# KiCad board mobo.kicad_pcb (continued)
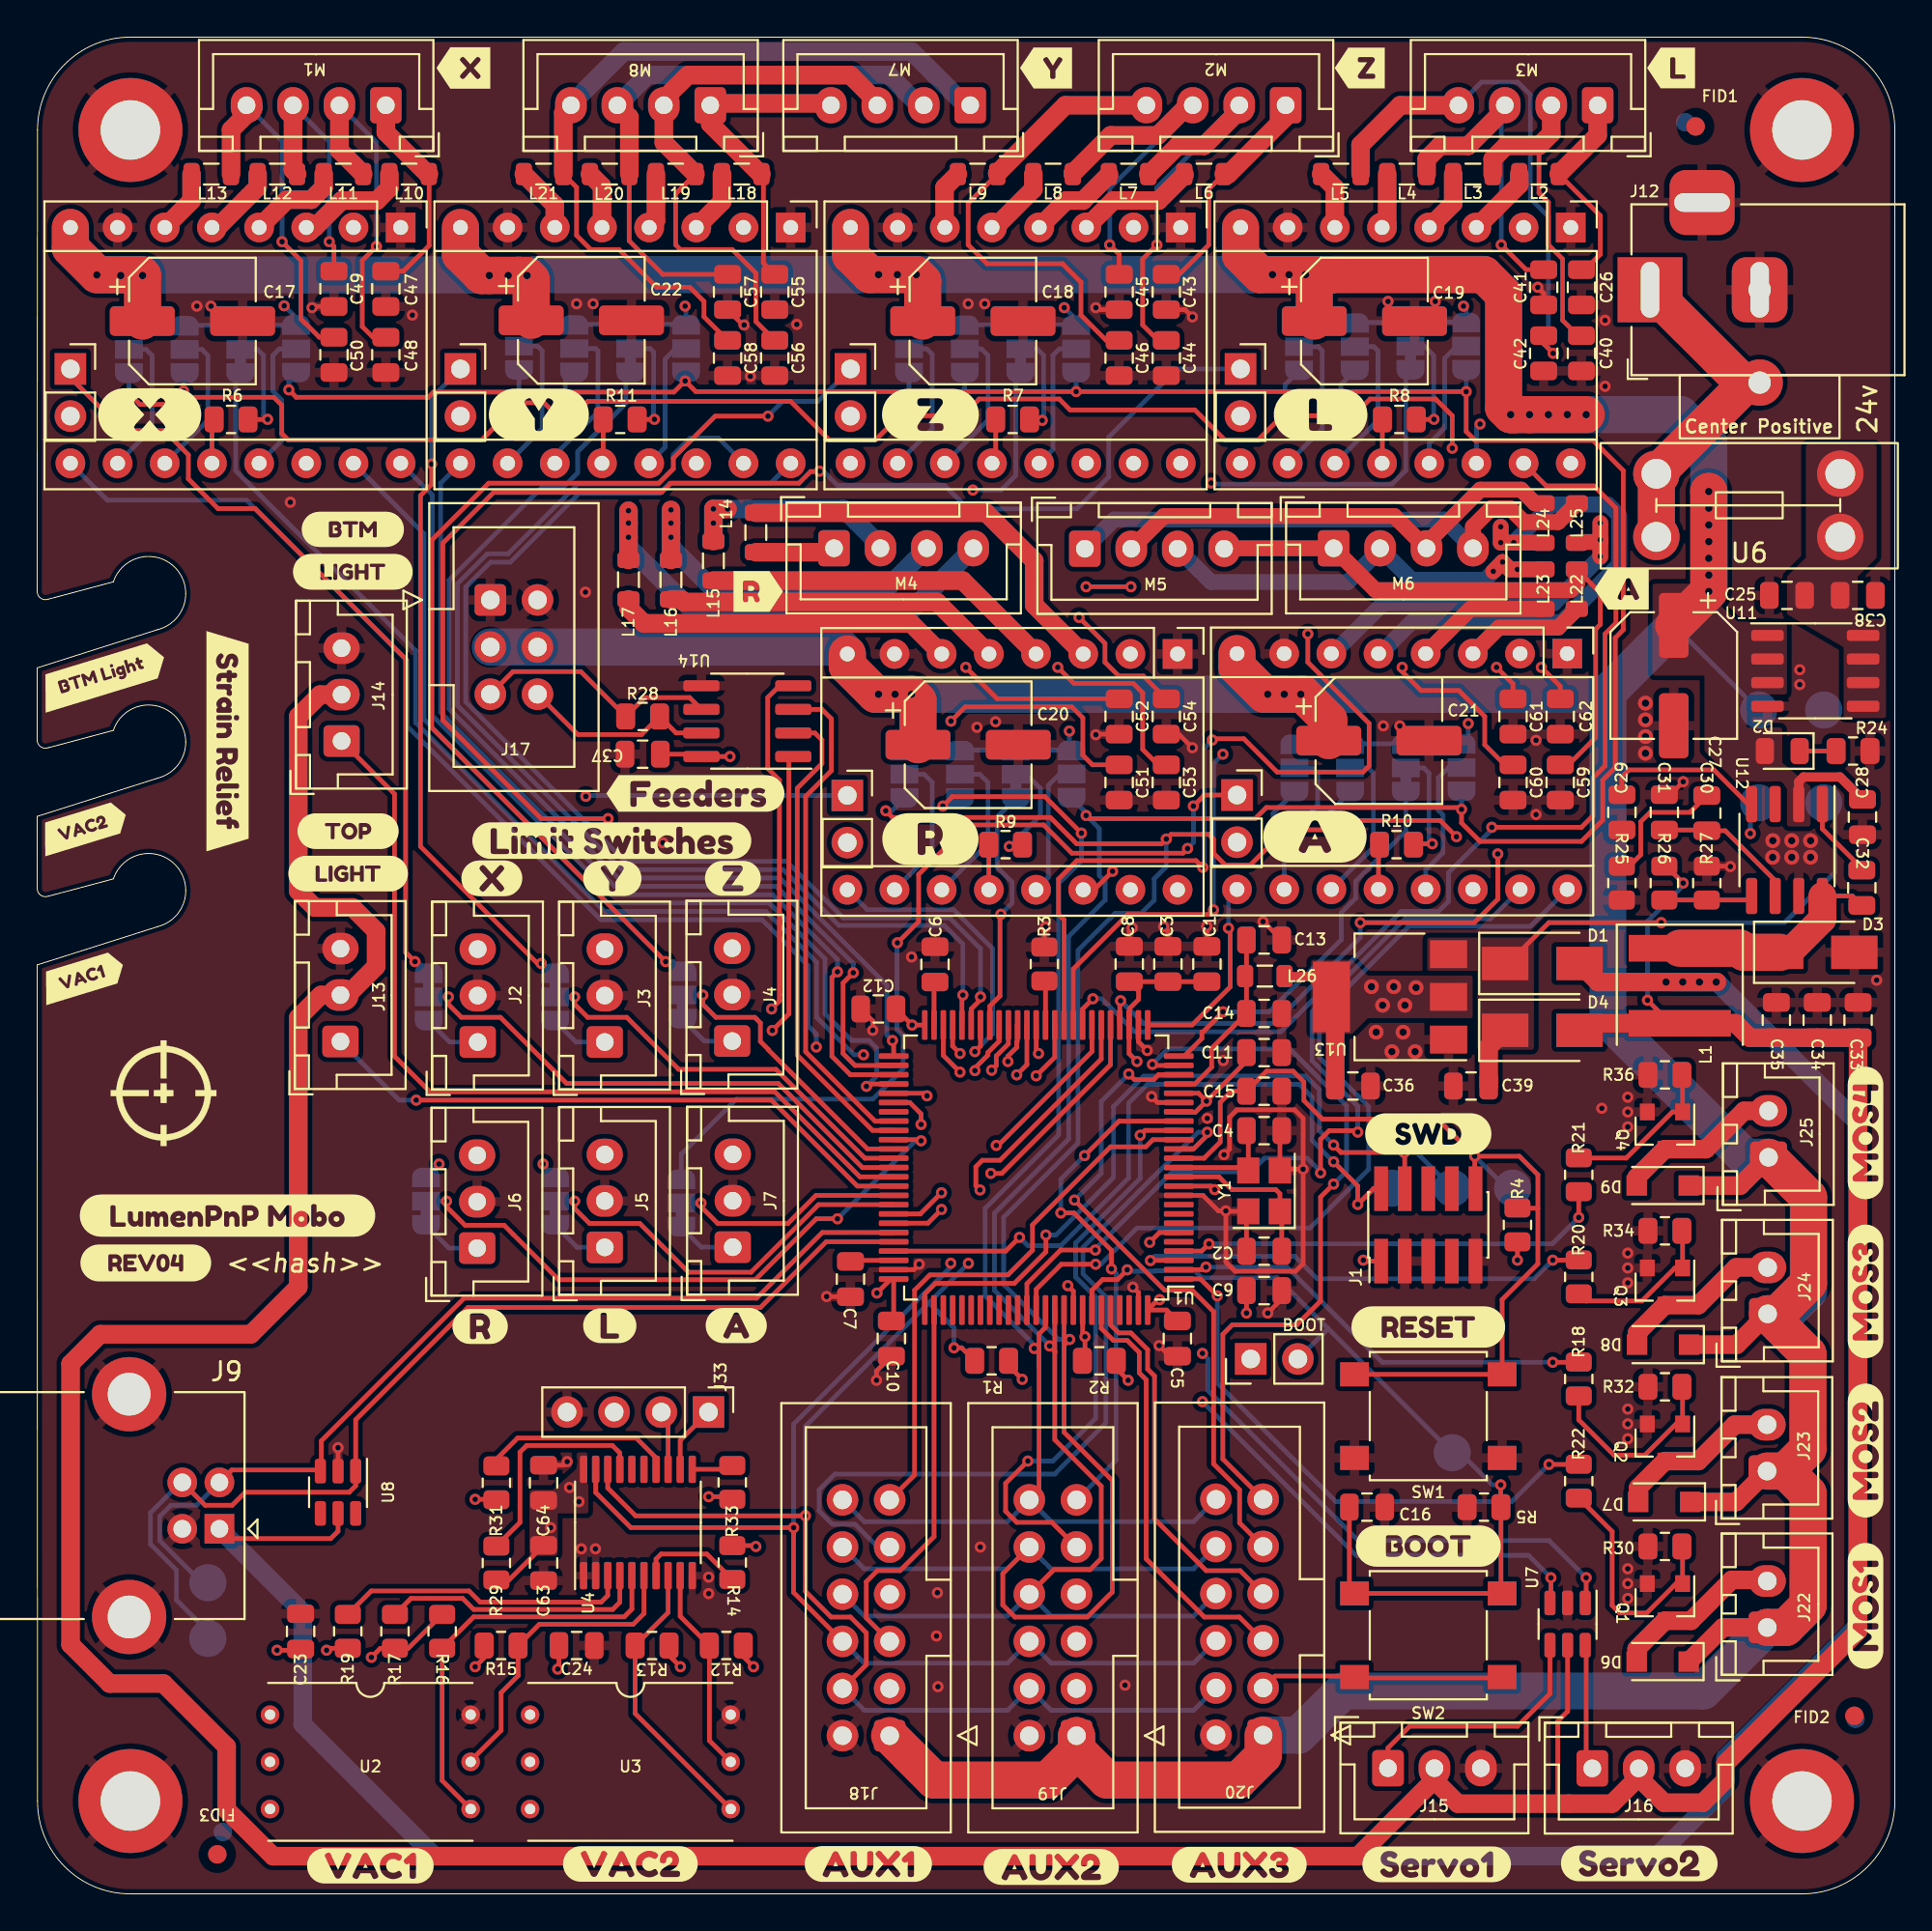
[diagram p0: board, top side]
## Placement (name value [footprint] x y rotation side) (continued)
TP6  BOOT0_TestPoint  [TestPoint_Pad_D2.0mm]  76.19 23.76 0 bottom
TP7  GND_TestPoint  [TestPoint_Pad_D2.0mm]  96.19 63.76 0 bottom
TP8  VDC_TestPoint  [TestPoint_Pad_D2.0mm]  92.69 63.76 0 bottom
TP9  5V_TestPoint  [TestPoint_Pad_D2.0mm]  96.19 58.76 0 bottom
TP10  3V3_TestPoint  [TestPoint_Pad_D2.0mm]  92.69 58.76 0 bottom
U1  STM32F407VETx  [LQFP-100_14x14mm_P0.5mm]  53.79 39.12 180 top
U2  -  [XGZP6857D]  17.94 7.11 0 top
U3  -  [XGZP6857D]  31.94 7.11 0 top
U4  PCA9545A  [TSSOP-20_4.4x6.5mm_P0.65mm]  32.35 20 90 top
U6  -  [Fuse_Holder_3568]  87.18 73.09 0 top
U7  SN74LVC2G34  [SOT-23-6]  82.4 14.53 270 top
U8  SRV05-4  [SOT-23-6]  16.2 21.63 270 top
U11  FDS4435BZ  [SO-8_3.9x4.9mm_P1.27mm]  95.74 65.87 0 top
U12  TPS54331  [SOIC-8_3.9x4.9mm_P1.27mm]  94.21 56.22 270 top
U13  AP1117-33  [SOT-223-3_TabPin2]  72.84 48.31 180 top
U14  MAX3078E  [SOIC-8_3.9x4.9mm_P1.27mm]  38.24 63.16 180 top
Y1  8MHz  [Crystal_SMD_3225-4Pin_3.2x2.5mm]  66.06 37.86 90 top

## Library data of the parts
C1 C3 C6 C7 C14 = -: Digikey: 587-4961-1-ND; JLCPCB: C49217; LCSC: C49217; Mouser: 963-UMK212ABJ225KG-T
C2 C4 = -: JLCPCB: C1785; LCSC: C525280
C5 C8-C13 C15 C16 C32 C37 = -: Digikey: 1276-1180-1-ND; JLCPCB: C49678; LCSC: C360619; Mouser: 581-08055C104K
C17-C22 C27 = -: Digikey: 493-2203-1-ND; JLCPCB: C99837; LCSC: C3339; Mouser: 647-UWT1V101MCL1S
C25 C33-C35 C38 = -: JLCPCB: C45783; LCSC: C5674
C28 C29 = -: Digikey: 1276-1015-1-ND; JLCPCB: C1710; LCSC: C1710; Mouser: 187-CL21B103KBANNNC
C30 = -: Digikey: 1276-2993-1-ND; JLCPCB: C28260; LCSC: C28260; Mouser: 187-CL21C222JBFNNNE
C31 = -: Digikey: 311-1103-1-ND; JLCPCB: C1804; LCSC: C123642; Mouser: 603-CC805JRNPO9BN220
C36 C39 = -: Digikey: 490-18663-1-ND; JLCPCB: C15850; LCSC: C17024; Mouser: 81-GRM21BR61H106KE3L
D1 D3 D4 = -: Digikey: 641-2115-1-ND; JLCPCB: C8678; LCSC: C266553; Mouser: 821-SS34LRVG; Notes: Vf<=0.55V,I>=2A,Vr>=24V
D2 = -: Digikey: 732-4987-1-ND; JLCPCB: C2296; LCSC: C779458; Mouser: 710-150080YS75000
D6-D9 = -: Digikey: SM4007PL-TPMSCT-ND; JLCPCB: C64898; LCSC: C64898; Mouser: 833-SM4007PL-TP
J1 = -: Config: +Debug; LCSC: C150517
J2-J7 J13-J16 = -: Digikey: 455-2248-ND; JLCPCB: C2316; LCSC: C2316
J17 = -: JLCPCB: C601936; LCSC: C601936
J18-J20 = -: LCSC: C9136
J22-J25 = -: Digikey: 455-2247-ND; JLCPCB: C20079; LCSC: C20079
L1 = -: Digikey: ASPI-6045S-120M-TCT-ND; LCSC: C168077; Mouser: 815-ASPI-6045S-120MT
M1-M8 = -: Digikey: 455-2249-ND; JLCPCB: C37815; LCSC: C37815
Q1-Q4 = -: Digikey: IRLML6344TRPBFCT-ND; JLCPCB: C332101; LCSC: C427382; Mouser: 942-IRLML6344TRPBF
R1 R2 = -: Digikey: A129757CT-ND; JLCPCB: C17673; LCSC: C17673; Mouser: 71-CRCW08054K70FKEAC
R3-R5 R24 = -: Digikey: RMCF0805FT10K0CT-ND; JLCPCB: C17414; LCSC: C115295; Mouser: 71-CRCW080510K0FKEAC
R6-R11 = -: JLCPCB: C17513; LCSC: C17513
R18 R20-R22 R30 R32 R34 R36 = -: Digikey: 541-36.0KCCT-ND; JLCPCB: C4360; LCSC: C139879; Mouser: 71-CRCW080536K0FKEA
R25 = -: Digikey: 541-12.1KCCT-ND; JLCPCB: C17431; LCSC: C139928; Mouser: 71-CRCW0805-12.1K-E3; Notes: 1%
R26 = -: Digikey: RMCF0805FT10K0CT-ND; JLCPCB: C17414; LCSC: C115295; Mouser: 71-CRCW080510K0FKEAC; Notes: 1%
R27 = -: Digikey: 541-1.91KCCT-ND; JLCPCB: C17401; LCSC: C17401; Mouser: 71-CRCW08051K91FKEA
R28 = -: Digikey: 541-120CCT-ND; JLCPCB: C17437; LCSC: C131390; Mouser: 71-CRCW0805120RFKEA
SW1 SW2 = -: Digikey: SW415-ND; JLCPCB: C83206; LCSC: C83206; Mouser: 653-B3S-1000P
U1 = -: Digikey: 497-12075-ND; JLCPCB: C28730; LCSC: C28730; Mouser: 511-STM32F407VET6
U11 = -: Digikey: FDS4435BZCT-ND; JLCPCB: C23931; LCSC: C23931; Mouser: 512-FDS4435BZ
U12 = -: Digikey: 296-26991-1-ND; JLCPCB: C9865; LCSC: C9865; Mouser: 595-TPS54331DR; Notes: Can use the tube version 296-23626-5-ND
U13 = -: Digikey: ZLDO1117G33DICT-ND; JLCPCB: C108785; LCSC: C108785; Mouser: 522-ZLDO1117G33TA
U14 = -: Digikey: MAX3078EASA+-ND; JLCPCB: C40031; LCSC: C40031; Mouser: 700-MAX3078EESA
Y1 = -: Digikey: 50-ECS-80-10-33-CHN-CT-ND; JLCPCB: C57131; LCSC: C518155; Mouser: 520-ECS-80-1033CHNTR

## Footprints (pads in the part's own frame, mm; a bottom-side part is the same pattern mirrored in y, then rotated)
BarrelJack_Horizontal
  rect 3.5x3.5 hole 1x3: 1(-0.1,0)
  round 2.5 hole 1.2: 2(-6,0) 4(-6,5)
  rrect 3x3.5 hole 1x3: 2(-6,0)
  rrect 3.5x3.5 hole 3x1: 3(-2.9,-4.7)
C_0805_2012Metric
  rrect 1x1.45 smd: 1(-0.95,0) 2(0.95,0)
CP_Elec_6.3x7.7
  rrect 3.5x1.6 smd: 1(-2.7,0) 2(2.7,0)
Crystal_SMD_3225-4Pin_3.2x2.5mm
  rect 1.4x1.2 smd: 1(-1.1,-0.85) 2(1.1,-0.85) 3(1.1,0.85) 4(-1.1,0.85)
D_SMA
  rect 2.5x1.8 smd: 1(-2,0) 2(2,0)
D_SOD-123F
  rect 1.1x1.1 smd: 1(-1.4,0) 2(1.4,0)
Fiducial_1mm_Mask2mm
  round 1 smd: (0,0)
Fuse_Holder_3568
  round 2.5 hole 1.6: 1(0,0) 2(0,3.4) 3(9.9,3.4) 4(9.9,0)
IDC-Header_2x03_P2.54mm_Vertical
  rrect 1.7x1.7 hole 1: 1(0,0)
  round 1.7 hole 1: 2(2.54,0) 3(0,-2.54) 4(2.54,-2.54) 5(0,-5.08) 6(2.54,-5.08)
IDC-Header_2x06_P2.54mm_Vertical
  rrect 1.7x1.7 hole 1: 1(0,0)
  round 1.7 hole 1: 2(2.54,0) 3(0,-2.54) 4(2.54,-2.54) 5(0,-5.08) 6(2.54,-5.08) 7(0,-7.62) 8(2.54,-7.62) 9(0,-10.16) 10(2.54,-10.16) 11(0,-12.7) 12(2.54,-12.7)
JST_XH_B2B-XH-A_1x02_P2.50mm_Vertical
  rrect 1.7x2 hole 1: 1(0,0)
  oval 1.7x2 hole 1: 2(2.5,0)
JST_XH_B3B-XH-A_1x03_P2.50mm_Vertical
  rrect 1.7x1.95 hole 0.95: 1(0,0)
  oval 1.7x1.95 hole 0.95: 2(2.5,0) 3(5,0)
JST_XH_B4B-XH-A_1x04_P2.50mm_Vertical
  rrect 1.7x1.95 hole 0.95: 1(0,0)
  oval 1.7x1.95 hole 0.95: 2(2.5,0) 3(5,0) 4(7.5,0)
L_0805_2012Metric
  rrect 0.875x1.2 smd: 1(-1.062,0) 2(1.062,0)
L_Coilcraft_XAL60xx_6.36x6.56mm
  rect 1.43x5.5 smd: 1(-2.02,0) 2(2.02,0)
LED_0805_2012Metric
  rrect 0.975x1.4 smd: 1(-0.938,0) 2(0.938,0)
LQFP-100_14x14mm_P0.5mm
  rrect 1.6x0.3 smd: 1(-7.675,6) 2(-7.675,5.5) 3(-7.675,5) 4(-7.675,4.5) 5(-7.675,4) 6(-7.675,3.5) 7(-7.675,3) 8(-7.675,2.5) 9(-7.675,2) 10(-7.675,1.5) 11(-7.675,1) 12(-7.675,0.5) 13(-7.675,0) 14(-7.675,-0.5) 15(-7.675,-1) 16(-7.675,-1.5) 17(-7.675,-2) 18(-7.675,-2.5) 19(-7.675,-3) 20(-7.675,-3.5) 21(-7.675,-4) 22(-7.675,-4.5) 23(-7.675,-5) 24(-7.675,-5.5) 25(-7.675,-6) 51(7.675,-6) 52(7.675,-5.5) 53(7.675,-5) 54(7.675,-4.5) 55(7.675,-4) 56(7.675,-3.5) 57(7.675,-3) 58(7.675,-2.5) 59(7.675,-2) 60(7.675,-1.5) 61(7.675,-1) 62(7.675,-0.5) 63(7.675,0) 64(7.675,0.5) 65(7.675,1) 66(7.675,1.5) 67(7.675,2) 68(7.675,2.5) 69(7.675,3) 70(7.675,3.5) 71(7.675,4) 72(7.675,4.5) 73(7.675,5) 74(7.675,5.5) 75(7.675,6)
  rrect 0.3x1.6 smd: 26(-6,-7.675) 27(-5.5,-7.675) 28(-5,-7.675) 29(-4.5,-7.675) 30(-4,-7.675) 31(-3.5,-7.675) 32(-3,-7.675) 33(-2.5,-7.675) 34(-2,-7.675) 35(-1.5,-7.675) 36(-1,-7.675) 37(-0.5,-7.675) 38(0,-7.675) 39(0.5,-7.675) 40(1,-7.675) 41(1.5,-7.675) 42(2,-7.675) 43(2.5,-7.675) 44(3,-7.675) 45(3.5,-7.675) 46(4,-7.675) 47(4.5,-7.675) 48(5,-7.675) 49(5.5,-7.675) 50(6,-7.675) 76(6,7.675) 77(5.5,7.675) 78(5,7.675) 79(4.5,7.675) 80(4,7.675) 81(3.5,7.675) 82(3,7.675) 83(2.5,7.675) 84(2,7.675) 85(1.5,7.675) 86(1,7.675) 87(0.5,7.675) 88(0,7.675) 89(-0.5,7.675) 90(-1,7.675) 91(-1.5,7.675) 92(-2,7.675) 93(-2.5,7.675) 94(-3,7.675) 95(-3.5,7.675) 96(-4,7.675) 97(-4.5,7.675) 98(-5,7.675) 99(-5.5,7.675) 100(-6,7.675)
MountingHole_3.2mm_M3_DIN965_Pad
  round 5.6 hole 3.2: 1(0,0)
PinHeader_1x02_P2.54mm_Vertical
  rect 1.7x1.7 hole 1: 1(0,0)
  oval 1.7x1.7 hole 1: 2(0,-2.54)
PinHeader_1x04_P2.54mm_Vertical
  rect 1.7x1.7 hole 1: 1(0,0)
  oval 1.7x1.7 hole 1: 2(0,-2.54) 3(0,-5.08) 4(0,-7.62)
PinHeader_2x05_P1.27mm_Vertical_SMD
  rect 2.4x0.74 smd: 1(-1.95,2.54) 2(1.95,2.54) 3(-1.95,1.27) 4(1.95,1.27) 5(-1.95,0) 6(1.95,0) 7(-1.95,-1.27) 8(1.95,-1.27) 9(-1.95,-2.54) 10(1.95,-2.54)
PinSocket_1x02_P2.54mm_Vertical
  rect 1.7x1.7 hole 1: 1(0,0)
  oval 1.7x1.7 hole 1: 2(0,-2.54)
Pololu_Breakout-16_15.2x20.3mm
  rect 1.6x1.6 hole 0.8: 1(0,0)
  oval 1.6x1.6 hole 0.8: 2(0,-2.54) 3(0,-5.08) 4(0,-7.62) 5(0,-10.16) 6(0,-12.7) 7(0,-15.24) 8(0,-17.78) 9(12.7,-17.78) 10(12.7,-15.24) 11(12.7,-12.7) 12(12.7,-10.16) 13(12.7,-7.62) 14(12.7,-5.08) 15(12.7,-2.54) 16(12.7,0)
R_0805_2012Metric
  rrect 1.025x1.4 smd: 1(-0.912,0) 2(0.912,0)
SO-8_3.9x4.9mm_P1.27mm
  rrect 1.75x0.6 smd: 1(-2.575,1.905) 2(-2.575,0.635) 3(-2.575,-0.635) 4(-2.575,-1.905) 5(2.575,-1.905) 6(2.575,-0.635) 7(2.575,0.635) 8(2.575,1.905)
SOIC-8_3.9x4.9mm_P1.27mm
  rrect 1.95x0.6 smd: 1(-2.475,1.905) 2(-2.475,0.635) 3(-2.475,-0.635) 4(-2.475,-1.905) 5(2.475,-1.905) 6(2.475,-0.635) 7(2.475,0.635) 8(2.475,1.905)
SolderJumper-3_P1.3mm_Bridged12_RoundedPad1.0x1.5mm
  custom 1.05x1.5 smd: 1(-1.3,0) 3(1.3,0)
  rect 1x1.5 smd: 2(0,0)
SolderJumper-3_P1.3mm_Bridged23_RoundedPad1.0x1.5mm
  custom 1.05x1.5 smd: 1(-1.3,0) 3(1.3,0)
  rect 1x1.5 smd: 2(0,0)
SolderJumper-3_P1.3mm_Open_RoundedPad1.0x1.5mm
  custom 1.05x1.5 smd: 1(-1.3,0) 3(1.3,0)
  rect 1x1.5 smd: 2(0,0)
SOT-23
  rect 0.9x0.8 smd: 1(-1,0.95) 2(-1,-0.95) 3(1,0)
SOT-23-6
  rrect 1.325x0.6 smd: 1(-1.137,0.95) 2(-1.137,0) 3(-1.137,-0.95) 4(1.137,-0.95) 5(1.137,0) 6(1.137,0.95)
SOT-223-3_TabPin2
  rect 2x1.5 smd: 1(-3.15,2.3) 2(-3.15,0) 3(-3.15,-2.3)
  rect 2x3.8 smd: 2(3.15,0)
SW_SPST_B3S-1000
  rect 1.55x1.3 smd: 1(-3.975,2.25) 1(3.975,2.25) 2(-3.975,-2.25) 2(3.975,-2.25)
TestPoint_Pad_D2.0mm
  round 2 smd: 1(0,0)
TSSOP-20_4.4x6.5mm_P0.65mm
  rrect 1.475x0.4 smd: 1(-2.862,2.925) 2(-2.862,2.275) 3(-2.862,1.625) 4(-2.862,0.975) 5(-2.862,0.325) 6(-2.862,-0.325) 7(-2.862,-0.975) 8(-2.862,-1.625) 9(-2.862,-2.275) 10(-2.862,-2.925) 11(2.862,-2.925) 12(2.862,-2.275) 13(2.862,-1.625) 14(2.862,-0.975) 15(2.862,-0.325) 16(2.862,0.325) 17(2.862,0.975) 18(2.862,1.625) 19(2.862,2.275) 20(2.862,2.925)
USB_B_Lumberg_2411_02_Horizontal
  rect 1.6x1.6 hole 0.95: 1(0,0)
  round 1.6 hole 0.95: 2(0,-2.5) 3(2,-2.5) 4(2,0)
  round 4 hole 2.3: 5(4.86,4.75) 5(4.86,-7.25)
XGZP6857D
  round 1 hole 0.56: 1(-5.4,2.54) 2(-5.4,0) 3(-5.4,-2.54) 4(5.4,-2.54) 5(5.4,0) 6(5.4,2.54)

## Nets
+3.3VA: C13.1 C14.1 L26.2 U1.22
+3V3: A1.2 A1.14 A2.2 A2.14 A3.2 A3.14 A4.2 A4.14 A5.2 A5.14 A6.2 A6.14 C1.1 C3.1 C5.1 C8.1 C9.1 C10.1 C11.1 C12.1 C23.1 C24.1 C36.1 C37.1 C63.1 C64.1 J1.1 J2.3 J3.3 J4.3 J5.3 J6.3 J7.3 J18.3 J19.3 J20.3 J32.1 J33.3 JP1.1 JP2.1 JP3.1 JP4.1 JP5.1 JP6.1 JP7.1 JP8.1 JP9.1 JP10.1 JP11.1 JP12.1 JP13.1 JP14.1 JP15.1 JP16.1 JP17.1 JP18.1 JP19.1 JP20.1 JP21.1 JP22.1 JP23.1 JP24.1 L26.1 R1.1 R2.1 R4.1 R12.1 R13.1 R14.1 R15.1 R16.1 R17.1 R19.1 R29.1 R31.1 R33.1 SW2.2 TP10.1 U1.6 U1.11 U1.19 U1.21 U1.28 U1.50 U1.75 U1.100 U2.2 U3.2 U4.20 U13.2 U14.8
+5V: C39.1 D1.1 D4.1 TP9.1 U13.3
+5VP: C33.2 C34.2 C35.2 D4.2 J13.2 J14.2 J15.2 J16.2 L1.2 R26.1 U7.5
/Power/VIN: C25.2 C38.2 U6.3 U6.4 U11.5 U11.6 U11.7 U11.8
GND: A1.1 A1.7 A2.1 A2.7 A3.1 A3.7 A4.1 A4.7 A5.1 A5.7 A6.1 A6.7 C1.2 C2.2 C3.2 C4.2 C5.2 C6.2 C7.2 C8.2 C9.2 C10.2 C11.2 C12.2 C13.2 C14.2 C15.2 C16.2 C17.2 C18.2 C19.2 C20.2 C21.2 C22.2 C23.2 C24.2 C25.1 C26.2 C27.2 C28.1 C29.1 C31.1 C33.1 C34.1 C35.1 C36.2 C37.2 C38.1 C39.2 C40.2 C41.2 C42.2 C43.2 C44.2 C45.2 C46.2 C47.2 C48.2 C49.2 C50.2 C51.2 C52.2 C53.2 C54.2 C55.2 C56.2 C57.2 C58.2 C59.2 C60.2 C61.2 C62.2 C63.2 C64.2 D3.2 H5.1 H6.1 H7.1 H8.1 J1.3 J1.5 J1.9 J2.2 J3.2 J4.2 J5.2 J6.2 J7.2 J9.4 J9.5 J12.2 J12.3 J13.3 J14.3 J15.3 J16.3 J17.1 J17.2 J18.2 J19.2 J20.2 J33.4 Q1.2 Q2.2 Q3.2 Q4.2 R3.2 R5.2 R24.2 R25.2 R27.2 R30.1 R32.1 R34.1 R36.1 SW1.1 TP7.1 U1.10 U1.20 U1.27 U1.74 U1.99 U2.6 U3.6 U4.1 U4.2 U4.10 U7.2 U8.2 U11.4 U12.7 U13.1 U14.5 Y1.2 Y1.4
VBUS: D1.2 J9.1 U8.5
/Aux headers/1_A1: J18.9 U1.15
/Aux headers/1_A2: J18.11 U1.16
/Aux headers/1_PWM1: J18.5 U1.77
/Aux headers/1_PWM2: J18.7 U1.30
/Aux headers/2_A1: J19.9 U1.17
/Aux headers/2_A2: J19.11 U1.18
/Aux headers/2_PWM1: J19.5 U1.31
/Aux headers/2_PWM2: J19.7 U1.32
/Aux headers/3_A1: J20.9 U1.23
/Aux headers/3_A2: J20.11 U1.24
/Aux headers/3_PWM1: J20.5 U1.95
/Aux headers/3_PWM2: J20.7 U1.96
/Aux headers/CIPO: J18.8 J19.8 J20.8 JP4.3 JP8.3 JP12.3 JP16.3 JP20.3 JP24.3 U1.90
/Aux headers/COPI: J18.10 J19.10 J20.10 JP1.3 JP5.3 JP9.3 JP13.3 JP17.3 JP21.3 U1.91
/Aux headers/SCK: J18.12 J19.12 J20.12 JP3.3 JP7.3 JP11.3 JP15.3 JP19.3 JP23.3 U1.89
/Lighting/DOWNWARDS: J13.1 U1.65
/Lighting/UPWARDS: J14.1 U1.64
/Limit switches/A: JP32.2 U1.66
/Limit switches/A_DIAG: J30.1 JP32.3
/Limit switches/A_LIMIT: J7.1 JP32.1
/Limit switches/L: JP30.2 U1.67
/Limit switches/L_DIAG: J21.1 JP30.3
/Limit switches/L_LIMIT: J5.1 JP30.1
/Limit switches/R: JP31.2 U1.60
/Limit switches/R_DIAG: J28.1 JP31.3
/Limit switches/R_LIMIT: J6.1 JP31.1
/Limit switches/X: JP25.2 U1.63
/Limit switches/X_DIAG: J27.1 JP25.1
/Limit switches/X_LIMIT: J2.1 JP25.3
/Limit switches/Y: JP26.2 U1.62
/Limit switches/Y_DIAG: J29.1 JP26.1
/Limit switches/Y_LIMIT: J3.1 JP26.3
/Limit switches/Z: JP29.2 U1.61
/Limit switches/Z_DIAG: J26.1 JP29.3
/Limit switches/Z_LIMIT: J4.1 JP29.1
/Microcontroller/BOOT0: C16.1 J32.2 R5.1 SW2.1 TP6.1 U1.94
/Microcontroller/BOOT1: R3.1 U1.37
/Microcontroller/NRST: C15.1 J1.10 R4.2 SW1.2 TP3.1 U1.14
/Microcontroller/PA2: JP18.3 U1.25
/Microcontroller/PA3: A5.9 U1.26
/Microcontroller/PA4: A3.16 U1.29
/Microcontroller/PA9_USART1_TX: U1.68 U14.4
/Microcontroller/PA10_USART1_RX: U1.69 U14.1
/Microcontroller/PB0: A3.9 U1.35
/Microcontroller/PB1: A2.16 U1.36
/Microcontroller/PB6_I2C1_SCL: J18.4 J19.4 J20.4 R1.2 U1.92 U4.18
/Microcontroller/PB7_I2C1_SDA: J18.6 J19.6 J20.6 R2.2 U1.93 U4.19
/Microcontroller/PB10: U1.47 U7.3
/Microcontroller/PB11: U1.48 U7.1
/Microcontroller/PB12: JP22.3 U1.51
/Microcontroller/PB13: A6.9 U1.52
/Microcontroller/PB14: A1.16 U1.53
/Microcontroller/PB15: A1.15 U1.54
/Microcontroller/PC4: A3.15 U1.33
/Microcontroller/PC5: JP10.3 U1.34
/Microcontroller/PD6: A5.15 U1.87
/Microcontroller/PD7: A5.16 U1.88
/Microcontroller/PD8: JP2.3 U1.55
/Microcontroller/PD9: A1.9 U1.56
/Microcontroller/PD11: U1.58 U14.3
/Microcontroller/PD12: U1.59 U14.2
/Microcontroller/PE2: R22.2 U1.1
/Microcontroller/PE3: R18.2 U1.2
/Microcontroller/PE4: R20.2 U1.3
/Microcontroller/PE5: R21.2 U1.4
/Microcontroller/PE7: A2.15 U1.38
/Microcontroller/PE8: JP6.3 U1.39
/Microcontroller/PE9: A2.9 U1.40
/Microcontroller/PE10: A4.16 U1.41
/Microcontroller/PE11: A4.15 U1.42
/Microcontroller/PE12: JP14.3 U1.43
/Microcontroller/PE13: A4.9 U1.44
/Microcontroller/PE14: A6.16 U1.45
/Microcontroller/PE15: A6.15 U1.46
/Microcontroller/SWCLK: J1.4 TP4.1 U1.76
/Microcontroller/SWDIO: J1.2 TP5.1 U1.72
/Motor control/Motor AUX/1A: C60.1 L23.2 M5.3 M6.2
/Motor control/Motor AUX/1B: C59.1 L22.2 M5.4 M6.1
/Motor control/Motor AUX/2A: C61.1 L24.2 M5.2 M6.3
/Motor control/Motor AUX/2B: C62.1 L25.2 M5.1 M6.4
/Motor control/Motor AUX/MS0: A5.10 JP17.2
/Motor control/Motor AUX/MS1: A5.11 JP19.2
/Motor control/Motor AUX/MS2: JP18.2 R10.2
/Motor control/Motor AUX/RESET: A5.13 JP20.2
/Motor control/Motor left/1A: C40.1 L3.2 M3.2
/Motor control/Motor left/1B: C26.1 L2.2 M3.1
/Motor control/Motor left/2A: C41.1 L4.2 M3.3
/Motor control/Motor left/2B: C42.1 L5.2 M3.4
/Motor control/Motor left/MS0: A3.10 JP9.2
/Motor control/Motor left/MS1: A3.11 JP11.2
/Motor control/Motor left/MS2: JP10.2 R8.2
/Motor control/Motor left/RESET: A3.13 JP4.2
/Motor control/Motor right/1A: C52.1 L15.2 M4.2
/Motor control/Motor right/1B: C51.1 L14.2 M4.1
/Motor control/Motor right/2A: C53.1 L16.2 M4.3
/Motor control/Motor right/2B: C54.1 L17.2 M4.4
/Motor control/Motor right/MS0: A4.10 JP13.2
/Motor control/Motor right/MS1: A4.11 JP15.2
/Motor control/Motor right/MS2: JP14.2 R9.2
/Motor control/Motor right/RESET: A4.13 JP16.2
/Motor control/Motor X/1A: C48.1 L11.2 M1.2
/Motor control/Motor X/1B: C47.1 L10.2 M1.1
/Motor control/Motor X/2A: C49.1 L12.2 M1.3
/Motor control/Motor X/2B: C50.1 L13.2 M1.4
/Motor control/Motor X/MS0: A1.10 JP1.2
/Motor control/Motor X/MS1: A1.11 JP3.2
/Motor control/Motor X/MS2: JP2.2 R6.2
/Motor control/Motor X/RESET: A1.13 JP8.2
/Motor control/Motor Y/1A: C56.1 L19.2 M7.3 M8.2
/Motor control/Motor Y/1B: C55.1 L18.2 M7.4 M8.1
/Motor control/Motor Y/2A: C57.1 L20.2 M7.2 M8.3
/Motor control/Motor Y/2B: C58.1 L21.2 M7.1 M8.4
/Motor control/Motor Y/MS0: A6.10 JP21.2
/Motor control/Motor Y/MS1: A6.11 JP23.2
/Motor control/Motor Y/MS2: JP22.2 R11.2
/Motor control/Motor Y/RESET: A6.13 JP24.2
/Motor control/Motor Z/1A: C44.1 L7.2 M2.2
/Motor control/Motor Z/1B: C43.1 L6.2 M2.1
/Motor control/Motor Z/2A: C45.1 L8.2 M2.3
/Motor control/Motor Z/2B: C46.1 L9.2 M2.4
/Motor control/Motor Z/MS0: A2.10 JP5.2
/Motor control/Motor Z/MS1: A2.11 JP7.2
/Motor control/Motor Z/MS2: JP6.2 R7.2
/Motor control/Motor Z/RESET: A2.13 JP12.2
/Power/POWER_SUPPLY: J12.1 J12.4 U6.1 U6.2
/RS485/RS-485+: J17.5 R28.1 U14.6
/RS485/RS-485-: J17.6 R28.2 U14.7
/USB/D+: J9.3 TP2.1 U1.71 U8.1
/USB/D-: J9.2 TP1.1 U1.70 U8.3
/Vacuum sensors/SC0: R15.2 U2.5 U4.6
/Vacuum sensors/SC1: R12.2 U3.5 U4.9
/Vacuum sensors/SC2: J33.2 U4.13
/Vacuum sensors/SC3: U4.16
/Vacuum sensors/SD0: R16.2 U2.4 U4.5
/Vacuum sensors/SD1: R13.2 U3.4 U4.8
/Vacuum sensors/SD2: J33.1 U4.12
/Vacuum sensors/SD3: U4.15
VDC: A1.8 A2.8 A3.8 A4.8 A5.8 A6.8 C17.1 C18.1 C19.1 C20.1 C21.1 C22.1 C27.1 C28.2 D2.2 D6.1 D7.1 D8.1 D9.1 J17.3 J17.4 J18.1 J19.1 J20.1 J22.1 J23.1 J24.1 J25.1 TP8.1 U11.1 U11.2 U11.3 U12.2
Net-(A1-Pad3): A1.3 L10.1
Net-(A1-Pad4): A1.4 L11.1
Net-(A1-Pad5): A1.5 L12.1
Net-(A1-Pad6): A1.6 L13.1
Net-(A1-Pad12): A1.12 R6.1
Net-(A2-Pad3): A2.3 L6.1
Net-(A2-Pad4): A2.4 L7.1
Net-(A2-Pad5): A2.5 L8.1
Net-(A2-Pad6): A2.6 L9.1
Net-(A2-Pad12): A2.12 R7.1
Net-(A3-Pad3): A3.3 L2.1
Net-(A3-Pad4): A3.4 L3.1
Net-(A3-Pad5): A3.5 L4.1
Net-(A3-Pad6): A3.6 L5.1
Net-(A3-Pad12): A3.12 R8.1
Net-(A4-Pad3): A4.3 L14.1
Net-(A4-Pad4): A4.4 L15.1
Net-(A4-Pad5): A4.5 L16.1
Net-(A4-Pad6): A4.6 L17.1
Net-(A4-Pad12): A4.12 R9.1
Net-(A5-Pad3): A5.3 L22.1
Net-(A5-Pad4): A5.4 L23.1
Net-(A5-Pad5): A5.5 L24.1
Net-(A5-Pad6): A5.6 L25.1
Net-(A5-Pad12): A5.12 R10.1
Net-(A6-Pad3): A6.3 L18.1
Net-(A6-Pad4): A6.4 L19.1
Net-(A6-Pad5): A6.5 L20.1
Net-(A6-Pad6): A6.6 L21.1
Net-(A6-Pad12): A6.12 R11.1
Net-(C2-Pad1): C2.1 U1.12 Y1.1
Net-(C4-Pad1): C4.1 U1.13 Y1.3
Net-(C6-Pad1): C6.1 U1.49
Net-(C7-Pad1): C7.1 U1.73
Net-(C29-Pad2): C29.2 U12.4
Net-(C30-Pad1): C30.1 R25.1
Net-(C30-Pad2): C30.2 C31.2 U12.6
Net-(C32-Pad1): C32.1 U12.1
Net-(C32-Pad2): C32.2 D3.1 L1.1 U12.8
Net-(D2-Pad1): D2.1 R24.1
Net-(D6-Pad2): D6.2 J22.2 Q1.3
Net-(D7-Pad2): D7.2 J23.2 Q2.3
Net-(D8-Pad2): D8.2 J24.2 Q3.3
Net-(D9-Pad2): D9.2 J25.2 Q4.3
Net-(J15-Pad1): J15.1 U7.4
Net-(J16-Pad1): J16.1 U7.6
Net-(Q1-Pad1): Q1.1 R22.1 R30.2
Net-(Q2-Pad1): Q2.1 R18.1 R32.2
Net-(Q3-Pad1): Q3.1 R20.1 R34.2
Net-(Q4-Pad1): Q4.1 R21.1 R36.2
Net-(R14-Pad2): R14.2 U4.7
Net-(R17-Pad2): R17.2 U4.4
Net-(R19-Pad2): R19.2 U4.3
Net-(R26-Pad2): R26.2 R27.1 U12.5
Net-(R29-Pad2): R29.2 U4.17
Net-(R31-Pad2): R31.2 U4.14
Net-(R33-Pad2): R33.2 U4.11

Pads without a net: J1 6 7 8; J21 2; J26 2; J27 2; J28 2; J29 2; J30 2; U1 5 7 8 9 57 78 79 80 81 82 83 84 85 86 97 98; U2 1 3; U3 1 3; U8 4 6; U12 3

## Via types
v1: diameter 0.6, hole 0.3, Top to Bottom, 287 vias
v2: diameter 0.8, hole 0.4, Top to Bottom, 53 vias

## Routing (per net, layer and track width the routed paths; a pad name or vN(x,y) marks a point on that pad's centre or on a via; arc(x,y) is an arc through that point)
+3.3VA: length 10
  Top w0.25: C13.1 65.11,49.5 L26.2 65.11,49.36 C14.1 ; C14.1 63.23,45.54 63.23,44.52 62.33,43.62 U1.22 ; C14.1 65,47.53
+3V3: length 147
  Top w0.25: v1(62.96,42.69) 62.36,42.1 61.49,42.1 U1.19 ; v1(62.96,42.69) 65.11,44.85 C11.1 ; v1(62.96,42.69) 62.53,43.12 U1.21 ; v1(18,12.74) 18.48,13.23 R17.1 19.98,13.23 R16.1 ; v1(63.4,37.93) 63.21,38.12 U1.11 ; v1(23.58,21.25) 24.7,21.25 R31.1 ; v1(59.21,44.83) 58.79,45.26 U1.28 58.81,46.82 58.81,47.69 59.3,48.17 59.3,48.63 C8.1 C3.1 C1.1 ; v1(12.92,13.12) 14.12,13.12 C23.1 ; v1(15.58,13.12) 15.69,13.23 R19.1 ; C63.1 25.4,16.91 R29.1 ; v1(23.58,12.23) 24.07,12.72 R15.1 ; 52.3,28.46 52.3,28.45 v1(53.04,27.71) ; v1(45.22,32.36) 45.98,33.12 U1.75 46.11,30.99 C10.1 ; v1(37.3,61.25) U14.8 35.64,61.38 C37.1 ; 58.1,28.46 58.1,28.3 v1(58.74,27.66) ; R13.1 34.02,12.84 v1(34.63,12.23) ; v1(65.11,31.28) 65.11,31.28 C9.1 ; J1.1 71.45,34.08 v1(71.4,34.13) ; v1(57.9,55.07) 56.91,54.08 A4.14 ; SW2.2 78.82,11.63 70.97,11.63 SW2.2 70.88,11.73 66.65,11.73 J20.3 ; v1(60.44,32) 60.35,32 U1.100 60.81,31.44 C5.1 ; v1(36.16,21.39) 37.28,21.39 R33.1 ; C12.1 v1(47.11,46.8) U1.50 ; v1(56.48,70.4) v1(58.89,70.4) ; R12.1 38.02,12.78 v1(38.57,12.23) ; v1(28.03,12.11) 28.09,12.17 C24.1 ; R14.1 38.65,18.76 v1(38.7,18.71) ; v1(59.9,35.09) 60.43,35.62 U1.6 ; v1(79.7,34.13) R4.1
  Top w0.5: 67.12,49.4 68.6,49.4 U13.2
  Top w1: U13.2 69.89,48.11 C36.1
  Bottom w0.25: v1(76.8,85.51) 76.94,85.37 JP4.1 JP10.1 73.91,84.63 JP11.1 JP9.1 ; v1(13.3,85.53) 13.94,84.89 JP8.1 ; JP17.1 JP19.1 JP18.1 76.67,61.94 77.05,62.32 v1(77.05,63.03) ; TP10.1 92.24,58.31 v1(92.24,57.11) ; 13.91,84.48 JP2.1 JP3.1 JP1.1 ; v1(34.89,85.51) 34.94,85.46 JP24.1 JP22.1 JP23.1 28.79,84.65 25.94,84.65 ; v1(55.3,85.43) 55.94,84.79 JP12.1 JP6.1 JP7.1 JP5.1 ; A3.14 77.49,78.97 v1(77.69,79.16) ; v1(55.57,62.63) 55.57,61.73 JP16.1 55.68,61.6 JP14.1 JP15.1 JP13.1
  vias: v1(27.65,19.73) v1(28.66,21.88) v1(29.17,21.12) v2(71.84,48.86) v2(72.44,47.86) v2(73.04,48.86) v2(73.64,47.86) v2(74.24,48.81)
+5V: length 27.1
  Top w0.25: v1(87.44,52.31) 81.39,52.31 79.19,50.11 D1.1
  Top w1: D4.1 78.15,45.62 C39.1
  Bottom w0.25: TP9.1 96.19,58.74 96.8,58.13 96.8,55.03 94.08,52.31 v1(87.44,52.31)
+5VP: length 247.4
  Top w0.25: v1(86.7,48.13) 87.94,46.89 L1.2 ; v1(88.62,54.44) 87.71,55.35 R26.1 ; 81.87,4.86 81.87,9.3 82.4,9.83 U7.5
  Top w1: J14.2 15.23,64.59 14.06,63.41 14.06,54.02 14.95,53.13 16.98,53.13 18.25,51.86 18.25,49.95 16.71,48.41 J13.2 15.28,48.41 14.06,47.19 14.06,32.69 11.51,30.14 3.39,30.14 1.8,28.55 1.8,13.43 3.9,11.33 6.8,11.33 10.2,7.93 10.2,4.53 12.7,2.03 71.11,2.03 75.23,6.15 J15.2 75.23,6.12 76.49,4.86 84.79,4.86 86.23,6.3 J16.2 86.23,6.27 87.59,4.91 89.68,4.91 90.9,6.13 90.9,7.03 98.04,14.17 C33.2 C34.2 C35.2 92.22,46.11 91.44,46.89 L1.2 83.42,46.89
  Bottom w0.25: v1(88.62,54.44) 88.62,54.31 86.7,52.38 v1(86.7,48.13)
GND: length 65.1
  Top w0.25: v1(57,85.43) 57.11,85.32 C45.2 ; v1(64,36.79) 64.03,36.76 Y1.4 65.11,36.66 C2.2 ; v1(64,36.79) 64,34.03 64.5,33.53 67.75,33.53 68.16,33.94 v1(68.16,39.03) ; v1(64,36.79) 63.6,36.79 62.76,37.62 U1.10 ; v1(88.62,59.9) 87.92,59.2 C31.1 ; v1(58.96,52.03) 58.8,51.87 C8.2 ; R3.2 54.23,52.01 v1(54.29,52.07) ; 66.9,42.23 67.7,42.23 68.16,41.77 v1(68.16,39.03) ; v1(60.65,52.1) 60.88,51.87 C3.2 ; v1(45.19,27.66) 45.19,28.16 C10.2 ; R27.2 91.14,55.35 v1(91.16,55.33) ; U1.74 47.2,33.62 v1(47.49,33.91) ; C9.2 67.01,32.04 v1(66.25,31.28) ; C1.2 62.98,52.11 v1(62.97,52.12) ; v1(68.16,39.03) 66.98,39.03 Y1.2 66.91,41 C4.2 ; v1(66,52.36) 66.02,52.36 C13.2 ; C41.2 81.11,86.21 v1(80.79,86.53) ; v1(57,62.43) 57.03,62.46 C52.2 ; v1(59.77,45.42) 59.29,45.9 U1.27 ; v1(62.2,84.93) 61.81,85.32 C43.2 ; C12.2 44.99,47.01 v1(44.99,46.51) ; v1(60.41,29.53) 60.98,28.96 C5.2 ; U1.99 59.29,32.38 v1(58.99,32.68) ; v1(63.9,39.81) 64.2,40.11 64.2,41.83 64.6,42.23 66.91,42.23 ; v1(38.06,84.5) 38,84.5 C57.2 ; U8.2 v1(16.2,24.03) ; v1(42.51,32.17) 42.52,32.16 C7.2 ; C49.2 14.86,85.49 v1(14.8,85.43) ; v1(60,42.94) 60.33,42.62 U1.20 ; v1(62.2,61.73) 61.47,62.46 C54.2 ; v1(28.54,23.28) 28.34,23.09 C64.2
  Top w0.5: 86.97,27.09 86.79,27.27
  vias: v1(8.6,85.51) v1(9.36,85.51) v1(13.63,74.95) v1(20.2,85.03) v1(29.04,85.64) v1(29.3,18.58) v1(29.52,70.11) v1(29.93,85.64) v1(30.06,18.58) v1(33.69,56.61) v1(36.16,17.06) v1(36.16,16.17) v1(38.4,81.73) v1(40.9,84.53) v1(47.08,50.46) v1(48.42,13.89) v1(48.47,16.22) v1(48.5,11.16) v1(50.13,85.64) v1(50.6,62.83) v1(50.78,18.68) v1(51.02,85.64) v1(51.6,63.13) v1(58.57,11.24) v1(63,41.77) v1(63.86,44.88) v1(69.19,55.86) v1(72.48,62.91) v1(72.73,85.77) v1(73.37,62.91) v1(75.27,85.77) v1(80.7,62.13) v1(80.7,58.13) v1(84.24,42.31) v1(84.42,84.75) v1(84.42,81.19) v1(85.64,42.91) v1(85.64,42.11) v1(85.64,41.31) v1(85.64,34.51) v1(85.64,33.71) v1(85.64,32.91) v1(85.64,26.11) v1(85.64,25.31) v1(85.64,24.51) v1(85.64,17.51) v1(85.64,16.71) v1(85.64,15.91) v1(94.9,65.93) v1(94.9,65.13) v1(99.04,49.21) v2(72.09,46.41) v2(72.94,45.36) v2(73.54,46.41) v2(74.19,45.36) v2(86.59,64.13) v2(86.59,63.23) v2(86.59,62.33) v2(86.59,61.43) v2(93.45,56.73) v2(93.44,55.83) v2(94.47,56.73) v2(94.47,55.83) v2(95.48,56.73) v2(95.48,55.83)
VBUS: length 160.9
  Top w0.25: U8.5 16.2,19.53 15.8,19.13 10.34,19.13 J9.1
  Top w1: 90.44,49.11 84.04,49.11 D1.2
  Bottom w1: 88.04,49.11 90.44,49.11 98,41.55 98,14.43 90.9,7.33 90.9,5.73 87.2,2.03 21.4,2.03 14.3,9.13 14.3,15.18 J9.1
  vias: v2(87.7,49.11) v2(88.6,49.11) v2(89.5,49.11) v2(90.4,49.11)
/Aux headers/1_A1: length 43.9
  Top w0.25: U1.15 62.26,40.12 63,40.86 v1(63,41.02)
  Bottom w0.25: v1(63,41.02) 62.51,41.02 56.32,34.83 56.32,33.38 57.54,32.16 57.54,25.36 54.79,22.61 42.95,22.61 42.1,21.76 42.1,20.63 42.82,19.91 44.03,19.91 45.26,18.68 J18.9
/Aux headers/1_A2: length 30.2
  Top w0.25: U1.16 60.08,40.62 59.69,40.23 57.79,40.23 53.59,36.03 53.59,34.66 52.26,33.33 48.06,33.33 47.24,32.51 47.24,22.56 J18.11
/Aux headers/1_PWM1: length 20.6
  Top w0.25: U1.77 48.29,19.25 46.45,17.41 45.24,17.41 44.64,16.81 44.64,14.86 J18.5
/Aux headers/1_PWM2: length 38.2
  Top w0.25: U1.30 57.79,44.66 51.93,38.8 v1(51.35,38.8)
  In2.Cu w0.25: J18.7 44.66,17.38 44.66,23.31 45.79,24.43 45.79,34.53 47.39,36.13 48.78,36.13 50.04,37.4 50.04,38.21 50.63,38.8 v1(51.35,38.8)
/Aux headers/2_A1: length 31.7
  Top w0.25: U1.17 59.65,41.12 v1(59.39,40.86) ; v1(53.34,23.31) 52.14,22.11 52.14,20.61 52.74,20.01 54.63,20.01 J19.9
  Bottom w0.25: v1(59.39,40.86) 59.39,38.54 55.92,35.07 55.92,33.22 56.99,32.14 56.99,25.61 54.69,23.31 v1(53.34,23.31)
/Aux headers/2_A2: length 27.4
  Top w0.25: v1(55.12,36.67) 55.83,36.67 57.84,34.66 v1(57.84,33.66) ; v1(56.39,39.76) 58.25,41.62 U1.18
  Bottom w0.25: v1(56.39,39.76) 55.12,38.49 v1(55.12,36.67) ; J19.11 58.09,23.35 58.09,33.41 v1(57.84,33.66)
/Aux headers/2_PWM1: length 44.3
  Top w0.25: U1.31 57.29,44.96 51.84,39.51 50.89,39.51 50.54,39.16 50.54,38.13 v1(50.76,37.91)
  In2.Cu w0.25: J19.5 54.7,14.86 52.79,14.86 50.15,17.5 50.15,19.59 46.34,23.41 46.34,34.44 47.55,35.66 48.87,35.66 50.76,37.56 v1(50.76,37.91)
/Aux headers/2_PWM2: length 41
  Top w0.25: v1(51.64,40.31) 51.74,40.31 56.79,45.36 U1.32
  In2.Cu w0.25: J19.7 54.64,17.46 52.93,17.46 46.79,23.6 46.79,34.26 47.19,34.66 48.69,34.66 52.24,38.21 52.24,39.71 v1(51.64,40.31)
/Aux headers/3_A1: length 34.7
  Top w0.25: U1.23 60.38,44.12 60.12,43.86 59.08,43.86 v1(58.77,44.16) ; v1(55.85,37.37) 60.7,32.51 62.19,32.51 63.34,31.36 63.34,23.16 64.74,21.76 64.74,19.98 J20.9
  Bottom w0.25: v1(58.77,44.16) 57.29,42.68 57.29,38.81 v1(55.85,37.37)
/Aux headers/3_A2: length 40.4
  Top w0.25: v1(60.05,44.67) 60.1,44.62 U1.24 ; J20.11 63.84,23.42 63.84,30.14 64.35,30.65 67.82,30.65 69.1,31.93 69.1,37.53 v1(69.8,38.23)
  Bottom w0.25: v1(69.8,38.23) 70.5,38.93 70.5,42.45 67.44,45.51 60.88,45.51 v1(60.05,44.67)
/Aux headers/3_PWM1: length 23
  Top w0.25: U1.95 57.29,30.46 57.94,29.81 58.69,29.81 59.34,29.16 59.34,28.06 59.71,27.69 59.71,18.04 62.84,14.91 64.73,14.91 J20.5
/Aux headers/3_PWM2: length 20.1
  Top w0.25: J20.7 64.77,17.41 62.94,17.41 60.16,20.19 60.16,27.89 59.79,28.26 59.79,29.31 58.89,30.21 58.23,30.21 57.79,30.65 U1.96
/Aux headers/CIPO: length 204.9
  Top w0.25: v1(56.48,58.08) 56.65,57.91 65.58,57.91 66.18,58.51 76.59,58.51 v1(76.69,58.41) 76.69,57.68 77.69,56.68 83.15,56.68 84.29,57.83 84.29,59.98 84.97,60.66 84.97,67.65 85.4,68.08 85.4,76.65 83.78,78.27 77.43,78.27 76.94,78.76 v1(76.94,80.91) v1(55.94,80.91) 35.46,80.91 v1(34.89,81.48) 34.29,80.88 21.34,80.88 21.06,80.6 13.95,80.6 v1(13.55,81.01) ; v1(54.51,29.51) 54.79,29.23 54.79,29.16 ; J19.8 54.74,17.46 56.69,17.46 57.29,18.06 57.29,21.96 54.79,24.46 54.79,29.16 ; 54.79,29.16 U1.90
  Bottom w0.25: v1(13.55,81.01) 13.55,81.52 JP8.3 ; v1(55.94,80.91) JP12.3 ; v1(76.94,80.91) JP4.3 ; JP24.3 34.89,81.87 v1(34.89,81.48) ; J18.8 44.54,14.96 52.24,14.96 J19.8 54.6,14.96 62.26,14.96 J20.8 ; JP16.3 56.48,58.22 v1(56.48,58.08) 57.19,57.37 57.19,54.84 57.5,54.53 57.5,53.53 55.54,51.57 55.54,40.66 51.54,36.66 51.54,32.51 54.51,29.54 v1(54.51,29.51) ; v1(76.69,58.41) JP20.3
/Aux headers/COPI: length 232.5
  Top w0.25: J19.10 51.99,17.25 51.99,15.56 52.64,14.91 56.54,14.91 57.89,16.26 57.89,22.26 55.29,24.86 55.29,29.36 ; v1(55.59,29.86) 55.29,29.56 55.29,29.36 ; 55.29,29.36 U1.91 ; v1(4.94,80.81) 5.53,80.22 8.03,80.22 8.41,80.6 12.75,80.6 13.17,80.18 13.17,78.65 13.51,78.31 23.94,78.31 v1(25.94,80.31) 27.29,80.31 27.99,79.61 28.88,79.61 29.65,80.38 40.57,80.38 42.64,78.31 45.14,78.31 v1(46.94,80.11) 47.44,79.61 49.81,79.61 50.72,80.51 55.03,80.51 55.61,79.92 62.33,79.92 63.94,78.31 65.74,78.31 67.04,79.61 v1(67.19,79.61) 70.87,79.61 71.77,80.51 75.29,80.51 76.19,79.61 v1(76.19,77.86) ; v1(45.69,58.33) 46.05,57.97 54.55,57.97 55.97,56.56 60.54,56.56 v1(60.79,56.81) 61.05,57.06 63.08,57.06 63.33,56.81 63.33,56.05 63.97,55.41 65.31,55.41 66.54,56.64 v1(66.54,57.31) 69.84,57.31 70.34,57.81 75.54,57.81 v1(76.41,56.94)
  In2.Cu w0.25: v1(76.19,77.86) 76.19,76.52 73.62,73.95 73.62,71.74 76.03,69.33 76.03,57.32 v1(76.41,56.94)
  Bottom w0.25: v1(45.69,58.33) 46.02,58.33 JP13.3 ; v1(55.59,29.86) 54.99,29.86 52.04,32.81 52.04,36.45 56.04,40.45 56.04,50.81 58.04,52.81 59.44,52.81 60.14,53.51 60.14,54.67 60.79,55.32 v1(60.79,56.81) ; JP17.3 66.54,58.19 v1(66.54,57.31) ; JP9.3 67.19,81.28 v1(67.19,79.61) ; J18.10 44.54,17.5 52.24,17.5 J19.10 54.6,17.5 62.26,17.5 J20.10 ; v1(25.94,80.31) JP21.3 ; v1(46.94,80.11) JP5.3 ; v1(4.94,80.81) JP1.3
/Aux headers/SCK: length 214.7
  Top w0.25: J19.12 53.94,21.74 53.94,28.41 ; U1.89 54.29,30.51 53.94,30.16 53.94,28.41 ; 53.94,28.41 53.94,29.12 v1(53.68,29.38) ; v1(48.76,58.59) 49.27,59.1 54.26,59.1 v1(56.22,57.13)
  In2.Cu w0.25: v1(56.22,57.13) 56.66,57.13 57.44,57.91 v1(69.54,57.91) 72.04,55.41 79.97,55.41 85.43,60.87 85.43,79.2 84,80.63 77.47,80.63 77.18,80.34 v1(70.19,80.34) 69.71,80.34 69.14,80.91 57.24,80.91 56.64,80.31 55.14,80.31 54.54,80.91 49.76,80.91 v1(49.19,80.34) 48.62,80.91 29.17,80.91 v1(28.44,80.18) 27.61,81.01 24.84,81.01 24.69,80.86 21.31,80.86 20.89,80.43 10.53,80.43 10.02,80.94 v1(7.88,80.94)
  Bottom w0.25: v1(53.68,29.38) 53.68,29.57 51.04,32.21 51.04,36.92 55,40.88 55,54.42 56.22,55.65 v1(56.22,57.13) ; JP3.3 7.88,81.82 v1(7.88,80.94) ; v1(48.76,58.59) 49.28,58.59 JP15.3 ; J18.12 44.54,20.04 52.24,20.04 J19.12 54.6,20.04 62.26,20.04 J20.12 ; v1(69.54,57.91) 69.54,58.19 JP19.3 ; JP23.3 28.44,81.45 v1(28.44,80.18) ; v1(70.19,80.34) 70.19,81.28 JP11.3 ; v1(49.19,80.34) 49.94,81.09 JP7.3
/Lighting/DOWNWARDS: length 33
  Top w0.25: v1(20.41,42.75) 39.53,42.75 44.16,38.12 U1.65
  Bottom w0.25: v1(20.41,42.75) 19.49,42.75 J13.1
/Lighting/UPWARDS: length 47.7
  Top w0.25: J14.1 19.24,59.24 19.24,45.11 21.15,43.2 39.72,43.2 44.29,38.62 U1.64
/Limit switches/A: length 12.6
  Top w0.25: U1.66 41.93,37.62 40.42,36.11 36.64,36.11 35.74,37.01 v1(35.74,37.21)
  Bottom w0.25: v1(35.74,37.21) JP32.2
/Limit switches/A_DIAG: length 47.6
  Top w0.25: J30.1 62.84,59.18 v1(62.25,58.59) ; v1(61.94,56.3) 61.68,56.05 55.71,56.05 54.19,57.57 50.13,57.57 47.46,54.91 47.46,52.36 v1(46.32,51.22)
  Bottom w0.25: v1(46.32,51.22) 46.29,51.19 46.29,46.53 46.62,46.2 46.62,44.43 45,42.81 37.65,42.81 34.68,39.84 JP32.3 ; v1(62.25,58.59) 62.25,56.62 v1(61.94,56.3)
/Limit switches/A_LIMIT: length 3.2
  Bottom w0.25: J7.1 35.76,34.83 JP32.1
/Limit switches/L: length 21.6
  Top w0.25: U1.67 42.07,37.12 38.43,33.48 35.07,33.48 32.44,36.11 29.74,36.11 28.94,36.91 v1(28.94,37.31)
  Bottom w0.25: v1(28.94,37.31) JP30.2
/Limit switches/L_DIAG: length 92.3
  Top w0.25: v1(30.74,57.91) 27.14,57.91 21.84,63.21 21.84,72.75 24.57,75.48 33.62,75.48 34.11,75.98 41.02,75.98 41.64,76.6 42.11,76.6 v1(42.12,76.62)
  In2.Cu w0.25: v1(30.74,57.91) 26.24,53.41 26.24,40.31 v1(27.24,39.31)
  Bottom w0.25: J21.1 61.36,82.13 57.7,78.47 57.7,76.32 55.97,74.59 50.12,74.59 48.86,75.86 43.09,75.86 42.33,76.62 v1(42.12,76.62) ; v1(27.24,39.31) 27.24,39.25 JP30.3
